# Altium PCB Hrafn_backup.PcbDoc (part 4 of 5) (continued)
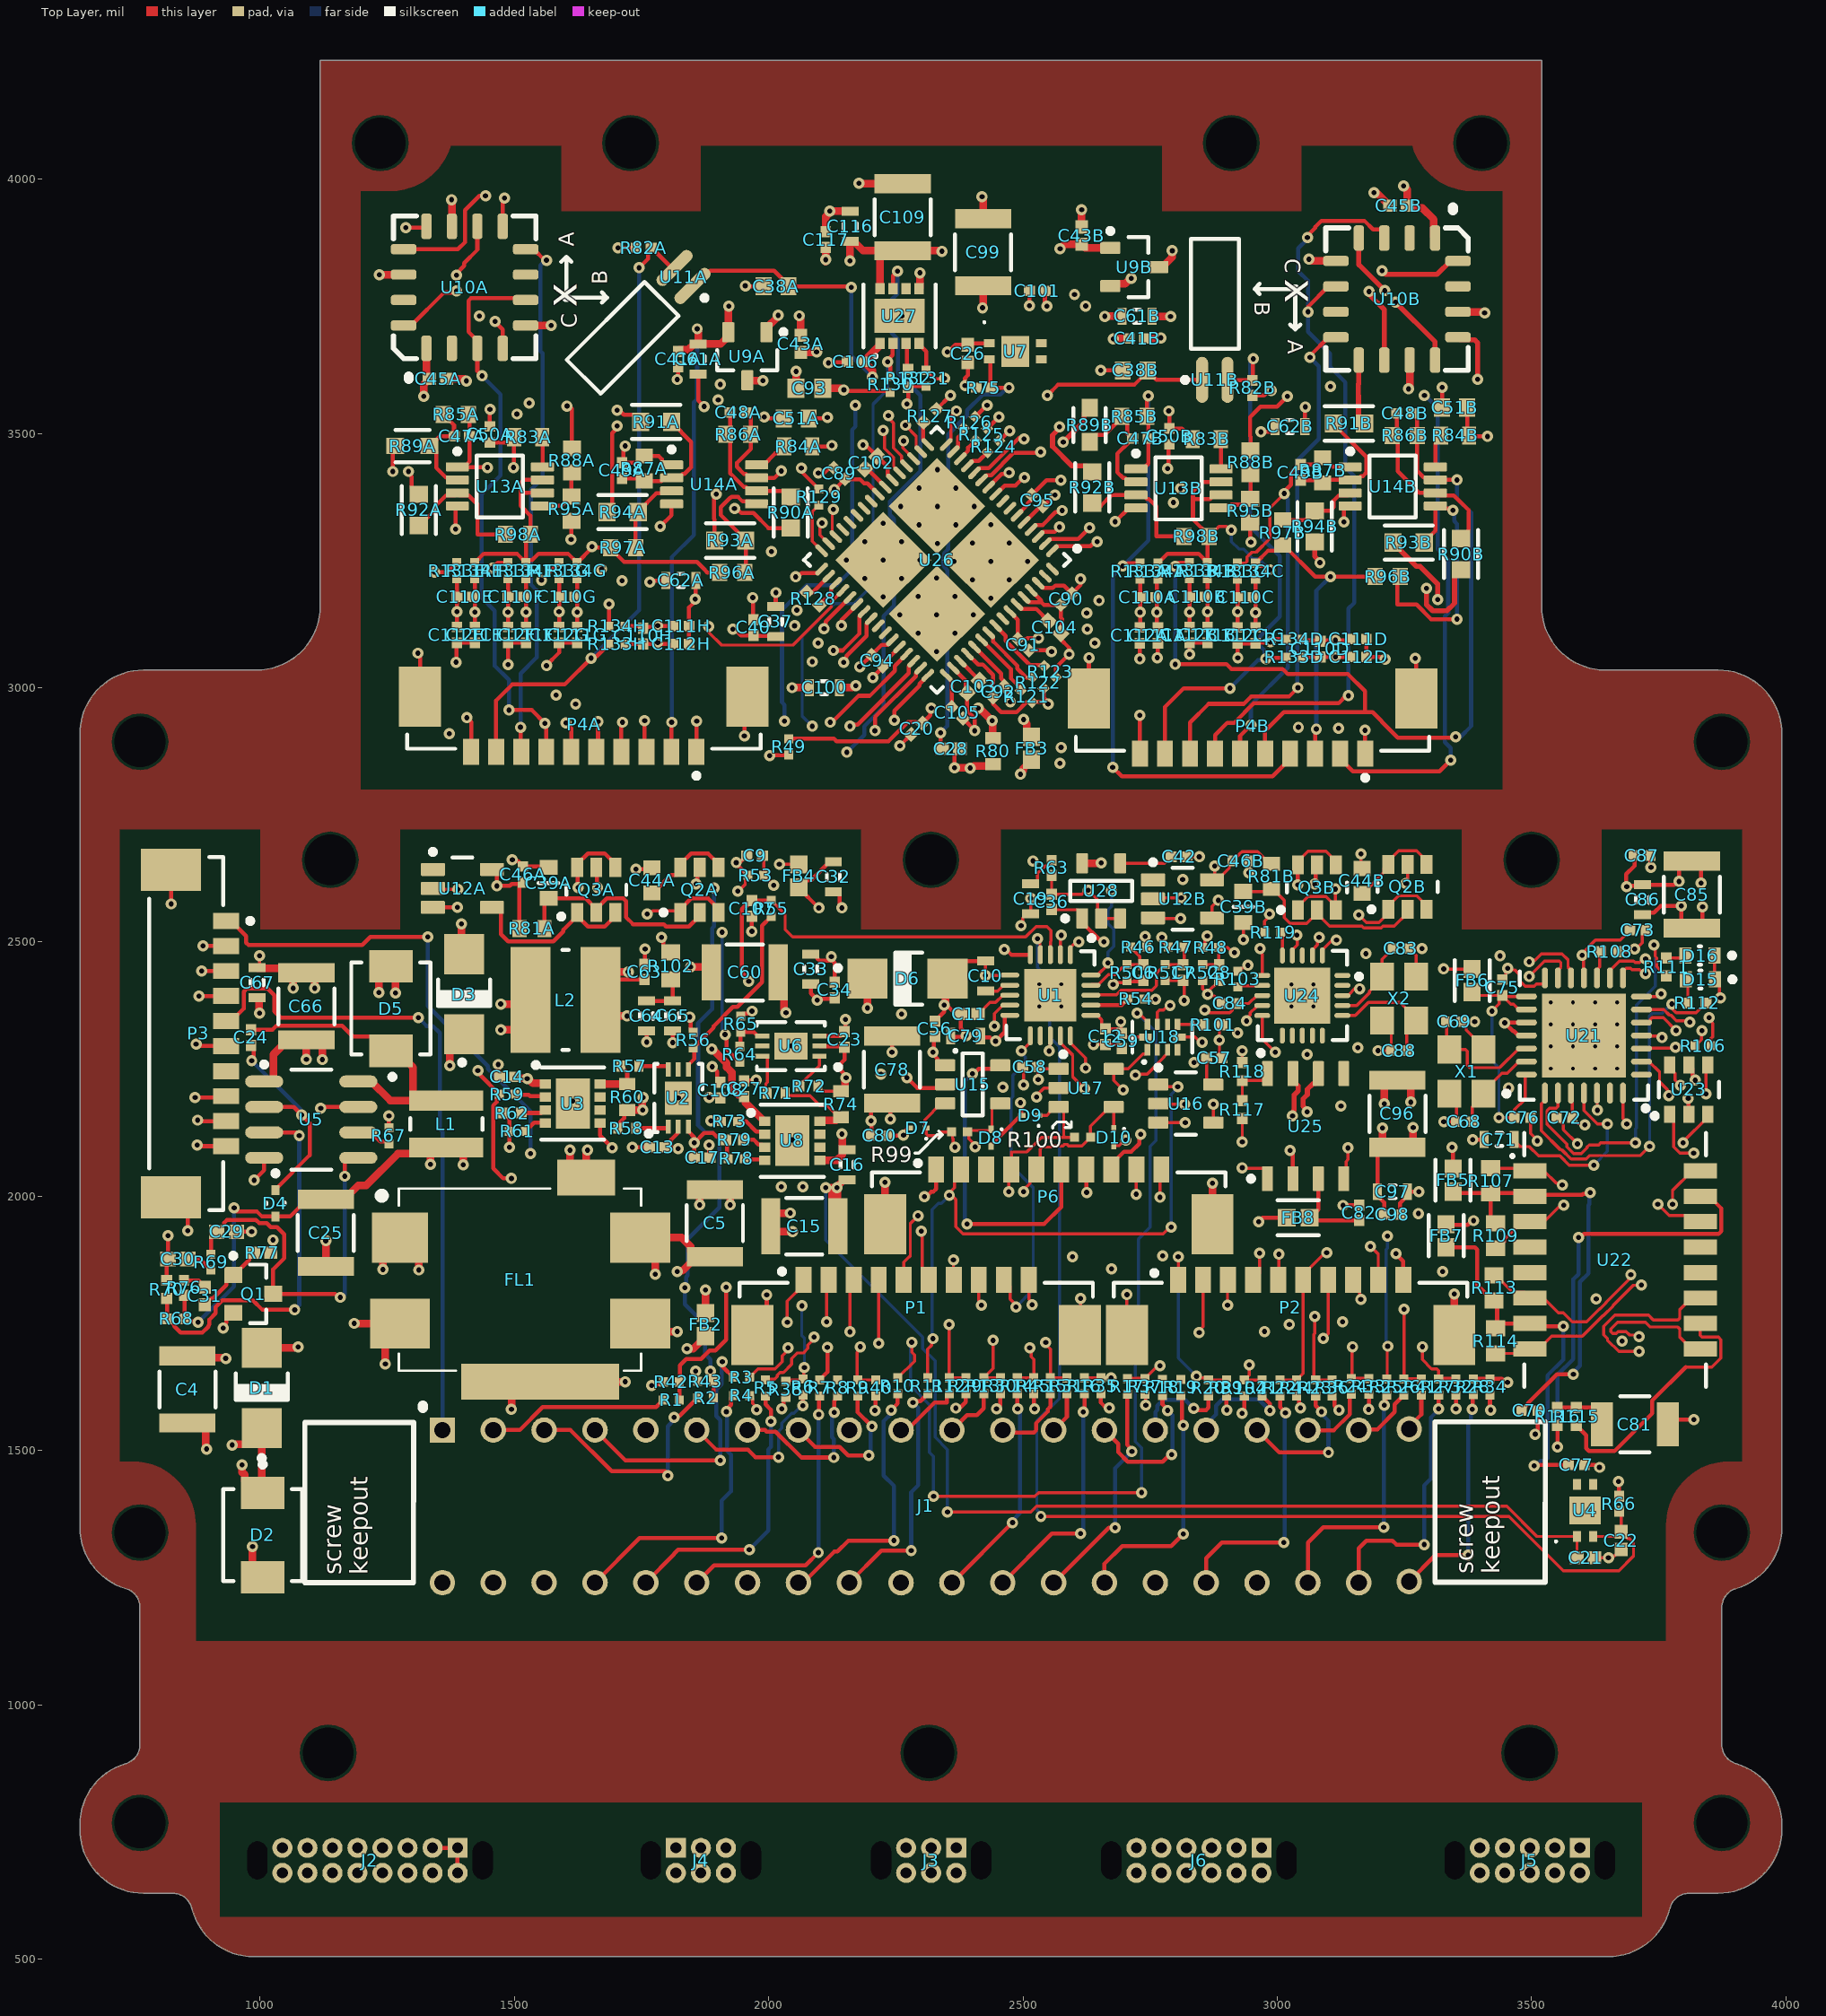
[diagram p0: Top Layer view]
## Nets (pads, with @x,y where several pads share a name; then routed paths per layer and width w, separated by ;. In a path a pad name is that pad's centre, name@x,y a point inside that pad or via, vN(x,y) a via of type N, cw(c..) or ccw(c..) an arc to the next point about the centre after c; other vN are vias at no path point) (continued)
  Internal Top w8: v1(2501.97,3489.17) 2501.97,3453.74 2527.56,3428.15 2527.56,3310.02 2488.15,3270.62 2488.15,3237.85 2496.51,3229.49 2496.51,3054.99 2528.54,3022.95 2528.54,2976.55 2528.21,2976.22 2528.21,2895.79 v1(2572.36,2851.64) ; v1(3041.34,2922.24) 3041.34,2923.23 3043.31,2925.2 3043.31,2955.27 3113.97,3025.93 v1(3113.97,3060.33)
  Internal Bottom w8: v1(2572.36,2851.64) 2572.36,2852.15 2552.82,2871.69 2552.82,2893.37 2562.99,2903.54 2916.02,2903.54 2917.65,2905.18 3024.28,2905.18 v1(3041.34,2922.24)
NetC110E_1: C110E.1 C111E.2 R134E.2 U26.48 | length 1173.4
  Top Layer w8: C111E.2@1422.05,3119.8 1422.05,3152.56 R134E.2@1422.05,3214.29 ; v1(2247.05,2936.02) 2247.05,2954.72 2296.26,3003.94 2296.26,3007.44 2312.7,3023.88 U26.48@2312.7,3024.38
  Internal Top w8: v1@1422.05,3152.56 1487.01,3087.6 1632.04,3087.6 1636.51,3092.07 1690.41,3092.07 1709.65,3072.83 1709.65,3072.6 1714.33,3067.91 2072.66,3067.91 2076.93,3072.18 2081.31,3072.18 v1(2096.73,3087.6)
  Internal Bottom w8: v1(2096.73,3087.6) 2096.79,3087.54 2096.79,3069.72 2106.63,3059.88 2106.63,3029.08 2163.01,2972.71 2210.36,2972.71 v1(2247.05,2936.02)
  other v1: 1422.05,3148.56
NetC110E_2: C110E.2 C112E.2 R133E.2 U26.47 | length 1195.7
  Top Layer w8: C112E.2@1386.62,3119.8 1386.62,3150.59 R133E.2@1386.62,3214.29 ; v1(2208.66,2915.35) 2208.66,2941.93 2289.38,3022.65 2289.38,3028.9 U26.47@2298.78,3038.3
  Internal Top w8: v1@1386.62,3150.59 1470.28,3066.93 1629.75,3066.93 1641.89,3079.07 1675.85,3079.07 1700.79,3054.13 2082.68,3054.13 v1(2085.63,3051.18)
  Internal Bottom w8: v1(2085.63,3051.18) 2088.31,3048.5 2088.31,3029.02 2157.62,2959.71 2164.31,2959.71 v1(2208.66,2915.35)
  other v1: 1386.62,3149.59
NetC110F_1: C110F.1 C111F.2 R134F.2 U26.46 | length 1109.9
  Top Layer w8: C111F.2@1522.54,3119.8 1522.54,3152.56 R134F.2@1522.54,3214.29 ; v1(2159.45,2924.21) 2162.51,2927.27 2174.32,2927.27 2275.46,3028.42 2275.46,3042.82 U26.46@2284.86,3052.22
  Internal Top w8: v1@1525.6,3149.5 1534.35,3149.5 1535.22,3148.62 1558.88,3148.62 1578.89,3128.61 1631.72,3128.61 1642.88,3139.76 1751.13,3139.76 1767.41,3156.05 1795.58,3156.05 1798.07,3153.56 2054.12,3153.56 v1(2055.12,3152.56)
  Internal Bottom w8: v1(2055.12,3152.56) 2072.83,3134.84 2072.83,3073.2 2065.63,3066 2065.63,3033.32 2079,3019.95 2079,3004.66 v1(2159.45,2924.21)
  other v1: 1522.54,3148.56
NetC110F_2: C110F.2 C112F.2 R133F.2 U26.45 | length 1132
  Top Layer w8: C112F.2@1487.1,3119.8 1487.1,3151.57 R133F.2@1487.1,3214.29 ; v1(2121.06,2932.09) 2124.37,2932.09 2176.38,2984.09 2198.83,2984.09 2247.77,3033.03 2247.77,3042.96 U26.45@2270.94,3066.14
  Internal Top w8: v1@1487.1,3151.57 1533.61,3105.07 1626.57,3105.07 1646.5,3125 1754.75,3125 1772.8,3143.05 1790.19,3143.05 1792.68,3140.56 2032.04,3140.56 v1(2050.73,3121.87)
  Internal Bottom w8: v1(2050.73,3121.87) 2050.73,3029.83 2066,3014.56 2066,2987.15 v1(2121.06,2932.09)
  other v1: 1487.1,3148.57
NetC110G_1: C110G.1 C111G.2 R134G.2 U26.40 | length 949.7
  Top Layer w8: C111G.2@1623.03,3119.8 1623.03,3149.61 R134G.2@1623.03,3214.29 ; v1(2147.2,3049.76) 2147.2,3054.09 2152.73,3059.61 2152.73,3062.17 2192.3,3101.75 2192.3,3118.53 2192.41,3118.64 2192.41,3126.8 U26.40@2201.35,3135.73
  Internal Top w8: v1(1620.17,2967.61) 2068.67,2967.61 2147.2,3046.14 v1(2147.2,3049.76) ; v1@1623.03,3149.61 v1@1623.5,3149.61
  Internal Bottom w8: v1(1620.17,2967.61) 1620.17,3146.75 v1@1623.03,3149.61
  other v1: 1623.03,3148.61
NetC110G_2: C110G.2 C112G.2 R133G.2 U26.39 | length 961.3
  Top Layer w8: C112G.2@1587.59,3119.8 v1(1587.59,3149.61) R133G.2@1587.59,3214.29 ; v1(2126.92,3073.2) 2145.05,3073.2 2178.49,3106.64 2178.49,3120.81 2178.38,3120.92 2178.38,3132.45 2178.49,3132.56 2178.49,3140.71 U26.39@2187.43,3149.65
  Internal Top w8: v1(1581.69,2985.24) 1608.1,2985.24 1646.87,3024 2088.15,3024 2123.85,3059.71 2123.85,3070.14 v1(2126.92,3073.2)
  Internal Bottom w8: v1(1581.69,2985.24) 1584.64,2988.19 1584.64,3146.66 v1(1587.59,3149.61)
NetC110H_1: C110H.1 C111H.2 R134H.2 U26.38 | length 550.5
  Top Layer w8: R134H.2@1717.34,3121.14 1752.77,3121.14 1754.48,3119.43 1778.88,3119.43 v1(1781.5,3122.05) 1781.95,3121.6 1811.37,3121.6 C111H.2@1811.82,3121.14 ; v1(2142.72,3122.05) 2142.72,3132.78 U26.38@2173.51,3163.57
  Internal Top w8: v1(1781.5,3122.05) 1785.83,3122.05 1810.43,3097.44 1871.82,3097.44 1874.92,3094.34 2052.9,3094.34 2095.73,3137.16 2132.52,3137.16 2138.78,3130.91 2138.78,3130.31 2142.72,3126.38 v1(2142.72,3122.05)
NetC110H_2: C110H.2 C112H.2 R133H.2 U26.37 | length 526
  Top Layer w8: R133H.2@1717.34,3085.71 1781.5,3085.71 v1@1782.48,3085.71 ; v1(1781.5,3088.91) 1781.5,3086.69 v1@1782.48,3085.71 ; C112H.2@1811.82,3085.71 v1@1782.48,3085.71 ; v1(2108.77,3116.16) 2109.27,3116.16 2112.2,3119.09 2112.2,3130.11 U26.37@2159.59,3177.49
  Internal Top w8: v1(1781.5,3088.91) 1785.83,3088.91 1793.83,3080.91 2060.34,3080.91 2092.53,3113.1 2105.71,3113.1 v1(2108.77,3116.16)
NetD15_2: D15.2 R112.2 | length 47.9
  Top Layer w6: D15.2@3803.15,2426.31 3807.09,2422.37 R112.2@3807.09,2380.05
NetD16_2: D16.2 R111.2 | length 39.6
  Top Layer w6: R111.2@3764.76,2468.5 3797.57,2468.5 D16.2@3802.39,2473.32
NetFB2_2: FB2.2 J1.2 J1.4 | length 837.7
  Top Layer w15: v1(1839,1700) 1839.34,1700.34 1851.89,1700.34 1875.64,1724.09 FB2.2@1875.64,1725.03
  Internal Bottom w30: J1.2@1358.27,1240.16 J1.4@1458.27,1240.16 1613.27,1395.16 1613.27,1597.27 1700,1684 1824,1684 1839,1699 v1(1839,1700)
NetJ1_3: J1.3 R1.2 | length 358.7
  Top Layer w8: J1.3@1458.27,1540.16 1510.18,1540.16 1555.66,1585.63 1778.54,1585.63 R1.2@1792.4,1599.49
NetJ1_5: J1.5 R2.2 | length 463.3
  Top Layer w8: J1.5@1558.27,1540.16 1610.18,1540.16 1691.03,1459.32 1796.49,1459.32 1801.18,1454.63 v1(1801.18,1450.79) ; v1(1813.98,1564.96) 1817.04,1568.02 1824.32,1568.02 R2.2@1859.72,1603.42
  Bottom Layer w8: v1(1801.18,1450.79) 1801.18,1547.84 1813.98,1560.63 v1(1813.98,1564.96)
NetJ1_7: J1.7 R3.2 | length 513.4
  Top Layer w8: J1.7@1658.27,1540.16 1718.11,1480.32 v1(1904.53,1480.32) ; v1(1908.53,1674.56) 1910.17,1672.92 1910.17,1664.2 R3.2@1930.59,1643.78
  Bottom Layer w8: v1(1904.53,1480.32) 1904.53,1560.2 1896.67,1568.06 1896.67,1619.65 1907.49,1630.47 1907.49,1673.52 v1(1908.53,1674.56)
NetJ1_8: J1.8 R4.1 | length 579.2
  Top Layer w8: J1.8@1658.27,1240.16 1745.87,1327.76 v1(1907.48,1327.76) ; v1(1916.67,1576.34) 1916.67,1580.67 1925.73,1589.73 1925.73,1603.49 R4.1@1930.59,1608.35
  Bottom Layer w8: v1(1907.48,1327.76) 1907.48,1401.53 1925.53,1419.57 1925.53,1491.71 1917.53,1499.71 v1@1917.53,1572.87
NetJ1_10: J1.10 R5.1 | length 555.2
  Top Layer w8: J1.10@1758.27,1240.16 1813.98,1295.87 1813.98,1297.24 1821.85,1305.12 v1(1961.61,1305.12) ; R5.1@1993.58,1607.36 1993.58,1590.7 2004,1580.28 v1(2004,1557)
  Bottom Layer w8: v1(1961.61,1305.12) 1999,1342.5 1999,1501.69 2004,1506.69 v1(2004,1557)
NetJ1_11: J1.11 R6.2 | length 329.5
  Top Layer w8: J1.11@1858.27,1540.16 1897.11,1501.32 1959.29,1501.32 1973.6,1487 v1(2019,1487) ; v1(2067,1588) 2067.2,1588.2 2067.2,1609.1 R6.2@2067.4,1609.3
  Bottom Layer w6: v1(2019,1487) 2019,1537.7 2025.52,1544.22 2025.52,1554.08 2044.6,1573.16 2049.32,1573.16 2064.16,1588 v1(2067,1588)
NetJ1_12: J1.12 R7.1 | length 572.8
  Top Layer w8: J1.12@1858.27,1240.16 1892.27,1274.16 2072.39,1274.16 v1(2097.44,1299.21) ; v1(2098.19,1570.84) 2099.04,1571.68 2099.04,1606.52 R7.1@2099.88,1607.36
  Bottom Layer w8: v1(2097.44,1299.21) 2097.82,1299.59 2097.82,1570.46 v1(2098.19,1570.84)
NetJ1_13: J1.13 R8.2 | length 319.3
  Top Layer w8: J1.13@1958.27,1540.16 1992.56,1540.16 1995.72,1537 2013.34,1537 2064.12,1486.22 v1(2127.95,1486.22) ; v1(2128.94,1574.8) 2128.94,1597.82 2130.46,1599.34 2130.46,1602.5 R8.2@2135.31,1607.36
  Bottom Layer w8: v1(2127.95,1486.22) 2127.95,1522.39 2124.27,1526.07 2124.27,1570.13 v1(2128.94,1574.8)
NetJ1_15: J1.15 R9.2 | length 290.6
  Top Layer w8: J1.15@2058.27,1540.16 2091.21,1507.22 2139.01,1507.22 2156.08,1490.16 v1(2196.85,1490.16) ; R9.2@2174.69,1607.36 2174.69,1575.31 v1(2202.76,1547.24)
  Bottom Layer w8: v1(2196.85,1490.16) 2199.8,1493.11 2199.8,1544.29 v1(2202.76,1547.24)
NetJ1_16: J1.16 R10.1 | length 530.1
  Top Layer w8: J1.16@2058.27,1240.16 2068.08,1240.16 2129.11,1301.18 2134.84,1301.18 2156.5,1322.83 2245.9,1322.83 v1(2246.06,1323) ; v1(2240.8,1579.56) 2253.43,1592.18 R10.1@2253.43,1611.3
  Bottom Layer w8: v1(2240.8,1579.56) 2240.8,1577.11 2240.8,1572.5 2226.02,1557.72 2226.02,1450.63 2246.06,1430.59 v1(2246.06,1323)
NetJ1_18: J1.18 R11.1 | length 485.4
  Top Layer w8: J1.18@2158.27,1240.16 2221.11,1303 v1(2280,1303) ; v1(2283.46,1594.49) 2285.9,1596.93 2298.11,1596.93 R11.1@2312.48,1611.3
  Bottom Layer w8: v1(2280,1303) 2280,1418.09 2294.02,1432.11 2294.02,1583.93 v1(2283.46,1594.49)
NetJ1_19: J1.19 R12.2 | length 131.4
  Top Layer w8: J1.19@2260.02,1539.98 2271.39,1539.98 2325.9,1594.49 2350.1,1594.49 2350.1,1606.61 R12.2@2354.79,1611.3
NetJ1_21: J1.21 R13.2 | length 108.7
  Top Layer w8: J1.21@2360.02,1539.98 2389.93,1569.88 2409.45,1569.88 2422.72,1583.15 R13.2@2422.72,1611.3
NetJ1_22: J1.22 R14.1 | length 429.7
  Top Layer w8: J1.22@2360.02,1239.98 2360.53,1239.98 2478.82,1358.27 v1(2479.33,1358.27) ; R14.1@2488.65,1611.3 2488.91,1611.04 2488.91,1581.96 v1(2489.17,1581.69)
  Bottom Layer w8: v1(2479.33,1358.27) 2479.33,1362.6 2494.02,1377.29 2494.02,1576.84 v1(2489.17,1581.69)
NetJ1_23: J1.23 R15.2 | length 152.4
  Top Layer w8: J1.23@2460.02,1539.98 2464.57,1535.43 2521.34,1535.43 2526.02,1540.12 2526.02,1554.06 2548.23,1576.26 2548.23,1580.71 2553.64,1586.12 R15.2@2553.64,1611.3
NetJ1_24: J1.24 R16.1 | length 470.9
  Top Layer w8: J1.24@2460.02,1239.98 2556.66,1336.61 v1(2613.19,1336.61) ; v1(2618.11,1575.79) 2620.57,1578.25 R16.1@2620.57,1611.3
  Bottom Layer w8: v1(2613.19,1336.61) 2618.11,1341.54 v1(2618.11,1575.79)
NetJ1_26: J1.26 R17.1 | length 445.7
  Top Layer w8: J1.26@2560.02,1239.98 2668.47,1348.43 v1(2681.1,1348.43) ; R17.1@2705,1610.25 2704.37,1609.62 2704.37,1511.42 2714,1501.79 v1(2714,1498)
  Bottom Layer w8: v1(2681.1,1348.43) 2681.1,1465.1 v1(2714,1498)
NetJ1_27: J1.27 R18.2 | length 298.5
  Top Layer w8: J1.27@2660.02,1539.98 2686.89,1513.11 2686.89,1496.83 2705.72,1478 2774.41,1478 2788.53,1492.13 v1(2792.32,1492.13) ; R18.2@2774,1608.25 2774,1590.82 2784.45,1580.37 v1(2784.45,1578.74)
  Bottom Layer w8: v1(2784.45,1578.74) 2794.02,1569.16 2794.02,1493.83 v1(2792.32,1492.13)
NetJ1_28: J1.28 R19.1 | length 491.1
  Top Layer w8: J1.28@2660.02,1239.98 2660.02,1277.15 2694.88,1312.01 2791.34,1312.01 v1(2814.96,1335.63) ; R19.1@2810,1608.25 2812.51,1605.74 2812.51,1551.72 v1(2815.02,1549.21)
  Bottom Layer w8: v1(2814.96,1335.63) 2815.02,1335.69 v1(2815.02,1549.21)
NetJ1_29: J1.29 R20.2 | length 188.3
  Top Layer w8: v1(2835.63,1582.68) 2838.65,1579.66 2859.79,1579.66 2864.47,1584.35 R20.2@2864.47,1607.36
  Bottom Layer w8: J1.29@2760.02,1539.98 2760.02,1575.65 2764.1,1579.73 2764.1,1588.09 2775.75,1599.74 2818.57,1599.74 v1(2835.63,1582.68)
NetJ1_31: J1.31 R21.2 | length 211.3
  Top Layer w8: R21.2@2969.96,1607.36 2985.24,1592.09 v1(2985.24,1578.74)
  Bottom Layer w8: J1.31@2860.02,1539.98 2860.02,1551.34 2879.59,1570.91 2879.59,1588.42 2891.89,1600.72 2963.25,1600.72 v1(2985.24,1578.74)
NetJ1_32: J1.32 R22.1 | length 507.7
  Top Layer w8: J1.32@2860.02,1239.98 2860.02,1288.17 2890.75,1318.9 v1(3012.8,1318.9) ; R22.1@3005.39,1607.36 3005.39,1585.16 3013.78,1576.77 3013.78,1575.87 v1(3015.84,1573.8)
  Bottom Layer w8: v1(3012.8,1318.9) 3014.32,1320.42 3014.32,1572.28 v1(3015.84,1573.8)
NetJ1_33: J1.33 R23.2 | length 280.3
  Top Layer w8: J1.33@2960.02,1539.98 3003.94,1496.06 v1(3100.39,1496.06) ; R23.2@3075.26,1607.36 3075.26,1588.31 3087.01,1576.56 v1(3087.01,1576.23)
  Bottom Layer w8: v1(3087.01,1576.23) 3087.01,1571.9 3100.39,1558.53 v1(3100.39,1496.06)
NetJ1_35: J1.35 R24.2 | length 135.3
  Top Layer w8: J1.35@3060.02,1539.98 3111.01,1539.98 3142.72,1571.68 3142.72,1607.97 R24.2@3145,1610.25
NetJ1_36: J1.36 R25.1 | length 503.1
  Top Layer w8: J1.36@3060.02,1239.98 3060.02,1318.88 3090.14,1349 v1(3209,1349) ; v1(3210,1589) 3212.5,1591.5 3212.5,1606.75 R25.1@3215,1609.25
  Bottom Layer w8: v1(3209,1349) 3209.5,1349.5 3209.5,1588.5 v1(3210,1589)
NetJ1_37: J1.37 R26.2 | length 126.8
  Top Layer w8: J1.37@3160.02,1539.98 3161.82,1541.77 3197.02,1541.77 3230.83,1575.58 3230.83,1591.08 R26.2@3249,1609.25
NetJ1_38: J1.38 R27.1 | length 512
  Top Layer w8: J1.38@3160.02,1239.98 3160.02,1307.66 3175.2,1322.83 3226.29,1322.83 3234.12,1315 v1(3289,1315) ; v1(3317,1582) R27.1@3317,1609.25
  Bottom Layer w8: v1(3289,1315) 3289,1431.47 3301.66,1444.14 3301.66,1564.81 3317,1580.15 v1(3317,1582)
NetJ1_40: J1.40 R28.1 | length 456.7
  Top Layer w8: J1.40@3259.15,1242.34 3311.1,1294.29 v1(3375,1294.29) ; v1(3382.93,1581.07) 3383.96,1582.1 3383.96,1608.47 R28.1@3385,1609.5
  Bottom Layer w8: v1(3375,1294.29) 3375,1554 3380.25,1559.25 3380.25,1578.39 v1(3382.93,1581.07)
NetQ3A_1: Q3A.1 Q3A.3 U12A.4 | length 350
  Top Layer w8: U12A.4@1455.71,2567.91 1464.62,2567.91 1473.41,2559.12 1473.41,2515.03 1487.6,2500.84 1576.56,2500.84 1596.09,2520.37 1596.09,2523.76 Q3A.1@1623.43,2551.1 ; Q3A.1@1623.43,2557.99 Q3A.1@1623.43,2551.1 ; Q3A.3@1698.23,2557.99 1698.23,2551.1 1677.42,2530.29 1644.24,2530.29 Q3A.1@1623.43,2551.1
NetQ3B_1: Q3B.1 Q3B.3 U12B.4 | length 416.9
  Top Layer w6: U12B.4@2871.62,2547.31 2871.62,2569.62 v1(2884,2582) ; Q3B.1@3040.35,2562.99 3040.35,2569.88 3060.16,2589.69 3095.35,2589.69 Q3B.3@3114,2571.04 ; v1(3114,2604) Q3B.3@3114,2571.04 ; Q3B.3@3115.16,2562.99 3114,2564.15 Q3B.3@3114,2571.04
  Internal Top w6: v1(2884,2582) 2885.7,2582 2896.35,2592.65 3079.17,2592.65 3090.52,2604 v1(3114,2604)
NetR54_1: R54.1 U1.17 | length 78
  Top Layer w8: U1.17@2633.35,2375.59 2693.84,2375.59 R54.1@2706.25,2388
NetR55_1: R55.1 R56.1 U2.4 | length 376
  Top Layer w8: U2.4@1841.68,2249.3 1842.61,2250.22 1842.61,2259.08 1853.92,2270.39 1853.92,2272.74 1853.28,2273.37 1853.28,2289.43 R56.1@1851.38,2291.34 1891.78,2331.75 1891.78,2334.7 1929.3,2372.22 1938.46,2372.22 1986.83,2420.59 1986.83,2532.11 R55.1@2004.92,2550.2
NetR57_1: R57.1 R60.1 U3.8 | length 95.2
  Top Layer w8: R57.1@1708.99,2255.75 1708.99,2253.78 1713.85,2248.92 1715.82,2248.92 1721.66,2243.08 R60.1@1721.66,2220.31
  Top Layer w15: U3.8@1668.46,2220.63 1668.62,2220.47 1721.5,2220.47 R60.1@1721.66,2220.31
NetR57_2: R57.2 U2.6 | length 63.8
  Top Layer w8: R57.2@1744.43,2255.75 1801.39,2255.75 1802.31,2254.83 U2.6@1802.31,2249.3
NetR58_2: R58.2 U2.1 | length 66.4
  Top Layer w8: R58.2@1738.37,2133.72 1801.39,2133.72 1802.31,2134.65 U2.1@1802.31,2136.7
NetR61_2: R61.2 U3.4 | length 46.7
  Top Layer w8: R61.2@1521.41,2127.72 1538.53,2144.85 1559.6,2144.85 U3.4@1560.58,2143.86
NetR62_2: R62.2 U3.3 | length 49.6
  Top Layer w8: R62.2@1513.37,2163.72 1553.08,2163.72 1558.81,2169.45 U3.3@1560.58,2169.45
NetR64_1: R64.1 R65.1 U6.4 | length 74.4
  Top Layer w8: R64.1@1943,2294.75 1944.03,2295.78 1944.03,2321.83 R65.1@1945.06,2322.86 1970.46,2322.86 1978.33,2314.99 U6.4@1987.19,2314.99
NetR67_2: R67.2 U5.6 | length 69.5
  Top Layer w8: U5.6@1192.91,2125.59 1218.5,2125.59 1236.09,2108.01 1248.29,2108.01 R67.2@1253.15,2103.15
NetR68_1: R68.1 R70.2 U5.3 | length 769.6
  Top Layer w8: R70.2@816.21,1799.12 817.34,1797.98 817.34,1759.97 R68.1@818.47,1758.83 819.46,1758.83 831.13,1747.17 831.13,1744.28 843.44,1731.97 886.24,1731.97 897.95,1743.68 897.95,1745.1 900.29,1747.44 900.29,1757.67 912.41,1769.79 912.41,1782.42 925.41,1795.42 985.61,1795.42 1004.46,1776.57 v1(1067.91,1776.57) ; U5.3@1007.87,2125.59 1070.28,2125.59 v1(1076.77,2119.09)
  Bottom Layer w8: v1(1067.91,1776.57) 1076.77,1785.43 v1(1076.77,2119.09)
NetR71_1: R71.1 R74.1 U8.8 | length 168.4
  Top Layer w6: R71.1@2032,2203 2031.15,2202.15 2035.57,2197.74 2080.89,2197.74 2100.18,2178.44 2115.07,2178.44 R74.1@2137.98,2155.54
  Top Layer w15: U8.8@2100.18,2147.66 2101.93,2149.42 2131.85,2149.42 R74.1@2137.98,2155.54
NetR71_2: R71.2 U6.6 | length 78.5
  Top Layer w6: U6.6@1992.35,2275.62 1995.3,2275.62 1997.22,2273.7 1997.22,2224.21 1994.28,2221.26 1994.28,2205.29 R71.2@1996.57,2203
NetR72_2: R72.2 U6.1 | length 75
  Top Layer w6: R72.2@2061.2,2216.56 2061.2,2218.53 2099.79,2257.11 U6.1@2099.79,2275.62
NetR73_1: R73.1 U8.2 | length 63.9
  Top Layer w8: R73.1@1938.75,2147 1955.61,2147 1975.28,2127.33 1987.06,2127.33 U8.2@1992.31,2122.07
NetR78_2: R78.2 U8.4 | length 41.8
  Top Layer w8: R78.2@1951.75,2074 1953.3,2072.45 1990.75,2072.45 U8.4@1992.31,2070.89
NetR79_2: R79.2 U8.3 | length 47.6
  Top Layer w8: R79.2@1950.72,2111 1970.38,2111 1979.64,2101.73 1987.06,2101.73 U8.3@1992.31,2096.48
NetR83A_1: R83A.1 U13A.8 | length 58.8
  Top Layer w8: R83A.1@1554.35,3492.67 1554.95,3492.07 U13A.8@1554.95,3434.15
NetR83B_1: R83B.1 U13B.8 | length 58.8
  Top Layer w8: R83B.1@2888.6,3488.73 2889.21,3488.13 U13B.8@2889.21,3430.21
NetR84A_1: R84A.1 U14A.8 | length 71.5
  Top Layer w8: U14A.8@1976.21,3438.09 1989.99,3438.09 2012.69,3460.79 2020.57,3460.79 2030.35,3470.57 R84A.1@2030.35,3474.5
NetR84B_1: R84B.1 U14B.8 | length 66.5
  Top Layer w8: U14B.8@3310.47,3434.15 3310.47,3480.54 3321.9,3491.97 R84B.1@3321.9,3495.91
NetR88A_1: R88A.1 R95A.2 U13A.5 | length 116.7
  Top Layer w8: U13A.5@1554.95,3357.38 1591.98,3357.38 1610.19,3375.59 R95A.2@1612.16,3375.59 1612.16,3422.46 R88A.1@1613.02,3423.32 R88A.1@1615.78,3426.08
NetR88B_1: R88B.1 R95B.2 U13B.5 | length 116.7
  Top Layer w8: U13B.5@2889.21,3353.44 2902.98,3353.44 2909.44,3359.9 2934.66,3359.9 R95B.2@2946.41,3371.65 2947.28,3372.52 R88B.1@2947.28,3419.39 R88B.1@2950.03,3422.14
NetR92A_2: R92A.2 R98A.2 U13A.3 | length 269.3
  Top Layer w8: R92A.2@1312.01,3318.83 1313.06,3318.83 1344.19,3349.96 1344.19,3357.02 1365.28,3378.11 1382.77,3378.11 U13A.3@1387.63,3382.97 1392.49,3378.11 1409.98,3378.11 1427.59,3360.5 1427.59,3301.28 R98A.2@1482.12,3301.28
NetR92B_2: R92B.2 R98B.2 U13B.3 | length 260.6
  Top Layer w8: R92B.2@2635.83,3363.12 2641.73,3357.22 2652.32,3357.22 2674.14,3379.03 U13B.3@2721.88,3379.03 2735.66,3379.03 2743.39,3371.3 2747.11,3371.3 2761.84,3356.56 2761.84,3297.34 R98B.2@2816.37,3297.34
NetR93A_2: R93A.2 R96A.2 U14A.5 | length 234.4
  Top Layer w8: R96A.2@1952.59,3226.47 1954.63,3228.51 R93A.2@1954.63,3289.47 1954.63,3290.52 1905.51,3339.63 1905.51,3355 1923.88,3373.36 1925.2,3373.36 1926.83,3375 1939.64,3375 1948.46,3366.17 1963.55,3366.17 1968.5,3361.22 1968.6,3361.32 U14A.5@1976.21,3361.32
NetR93B_2: R93B.2 R96B.2 U14B.5 | length 543.6
  Top Layer w8: R96B.2@3241.57,3220.57 R96B.2@3241.57,3218.6 3235.83,3212.86 3235.83,3163.39 3273.51,3163.39 3302.05,3134.84 v1(3353.35,3134.84) ; R93B.2@3275.97,3272.62 R93B.2@3288.88,3285.53 3288.88,3286.58 3310.47,3308.17 U14B.5@3310.47,3357.38 3315.33,3352.52 3337.69,3352.52 3341.21,3349 v1(3345,3349)
  Bottom Layer w8: v1(3345,3349) 3347.68,3346.32 3347.68,3327.67 3353.35,3322 v1(3353.35,3134.84)
NetR94A_2: R94A.2 R97A.2 U14A.3 | length 169.2
  Top Layer w8: R97A.2@1738.19,3275.59 1738.19,3340.48 R94A.2@1743.18,3345.47 1743.18,3346.52 1778.7,3382.05 1804.03,3382.05 U14A.3@1808.89,3386.91 U14A.3@1822.67,3386.91
NetR94B_2: R94B.2 R97B.2 U14B.3 | length 169.3
  Top Layer w8: R97B.2@3010.27,3329.82 3054.42,3329.82 3072.21,3347.6 R94B.2@3073.26,3347.6 3103.22,3347.6 3110.57,3354.95 3110.57,3367.88 3120.79,3378.11 3138.28,3378.11 U14B.3@3143.14,3382.97 U14B.3@3148,3378.11
NetR101_1: R101.1 U18.6 | length 52.2
  Top Layer w6: U18.6@2803.53,2338.1 2854.19,2338.1 R101.1@2855.28,2337
NetR103_2: R103.2 U24.17 | length 49.7
  Top Layer w6: R103.2@2922,2411.25 2924.46,2413.71 2969.62,2413.71 U24.17@2970.35,2414.45
NetR106_2: R106.2 U21.2 | length 292.2
  Top Layer w6: U21.2@3716.02,2264.84 3730.79,2264.84 3751.45,2244.18 3751.45,2224.87 3766.76,2209.57 3766.76,2201.06 v1(3769.82,2198) ; R106.2@3821.25,2296 3833.6,2308.34 3833.6,2324.51 v1(3834.94,2325.86)
  Internal Top w6: v1(3769.82,2198) 3769.82,2202.33 3764.96,2207.19 3764.96,2232.01 3834.29,2301.34 3834.29,2325.2 v1(3834.94,2325.86)
NetR108_2: R108.2 U21.10 | length 54.6
  Top Layer w6: U21.10@3628.43,2429.21 3628.43,2445.55 3633.35,2450.47 3633.35,2479.06 R108.2@3635.28,2481
NetR111_1: R111.1 U21.23 | length 766.1
  Top Layer w6: U21.23@3551.65,2202.84 3551.65,2176.36 3548.14,2172.84 3535.15,2172.84 3530.47,2168.16 3530.47,2141.06 3569.09,2102.43 3569.09,2097.04 3582.13,2084 3597.87,2084 3609,2095.13 3609,2096.89 3613.11,2101 3631.76,2101 3635.76,2105 v1(3703.86,2105) ; v1(3740.12,2494.25) 3743,2491.37 3743,2471.71 3745.94,2468.77 3745.94,2451.9 R111.1@3764.76,2433.07
  Bottom Layer w6: v1(3703.86,2105) 3704,2105.14 3704,2132.13 3706,2134.13 3706,2376.07 3743,2413.07 3743,2491.37 v1(3740.12,2494.25)
NetR112_1: R112.1 U21.22 | length 710.6
  Top Layer w6: U21.22@3526.06,2202.84 3526.06,2188.72 3519,2181.65 3519,2128.87 3556.44,2091.43 3559.14,2091.43 3577.57,2073 3607.13,2073 3614.13,2080 3714,2080 v1(3732,2098) ; v1(3775.76,2377.96) 3774.33,2376.53 3774.33,2371 3784.11,2361.22 3823.69,2361.22 R112.1@3842.52,2380.05
  Bottom Layer w6: v1(3732,2098) 3732,2210.04 3731.81,2210.22 3731.81,2354.81 3736.53,2359.53 3756.36,2359.53 v1@3767.84,2371
NetR115_2: R115.2 U22.10 | length 514.8
  Top Layer w6: 3802.85,1664 3854.5,1664 3872.09,1681.59 3872.09,1718.14 3867.41,1722.83 3835.13,1722.83 3831.61,1726.34 U22.10@3831.61,1749.87
  Top Layer w8: R115.2@3587.6,1549.21 3607.14,1529.67 3607.14,1504.15 3612.41,1498.87 3663.18,1498.87 3737.06,1572.76 3737.06,1598.22 3802.85,1664
NetR116_2: R116.2 U22.15 | length 853.8
  Top Layer w8: R116.2@3550.35,1549.31 3550.67,1548.99 3550.67,1507.33 v1(3551,1507) ; v1(3592,1919) 3595.79,1919 3602.69,1925.91 3867.82,1925.91 3873.09,1931.18 3873.09,1975.91 3849.13,1999.87 U22.15@3831.61,1999.87
  Bottom Layer w8: v1(3551,1507) 3551,1649.17 3582,1680.17 3582,1836.75 3592,1846.75 v1(3592,1919)
NetR117_1: R117.1 R118.2 U25.8 | length 98.2
  Top Layer w6: R117.1@2930.99,2188.07 R118.2@2930.99,2227.44 2972.77,2227.44 2980.59,2235.27 U25.8@2980.59,2241.22
NetR119_2: R119.2 U24.15 | length 47.3
  Top Layer w6: R119.2@3007,2519 3006.5,2518.5 3010,2515 3010,2473.78 U24.15@3009.72,2473.51
NetR121_1: R121.1 U26.54 | length 132.1
  Top Layer w8: U26.54@2418.49,3093.97 2475.91,3036.56 2475.91,3018.45 2496.31,2998.04 2496.31,2996.28 R121.1@2495.33,2994.31
NetR122_1: R122.1 U26.55 | length 134.9
  Top Layer w8: U26.55@2432.41,3107.89 2441.35,3098.96 2441.35,3090.81 2488.91,3043.24 2488.91,3037.67 2506.68,3019.9 2509.46,3019.9 2512.51,3022.95 2519.38,3022.95 R122.1@2518.39,3020.98
NetR123_1: R123.1 U26.56 | length 137
  Top Layer w8: U26.56@2446.33,3121.81 2446.33,3121.31 2465.95,3101.7 2465.95,3091.96 2513.43,3044.47 2520.06,3044.47 2520.19,3044.6 2543,3044.6 R123.1@2542.01,3042.63
NetR124_1: R124.1 U26.13 | length 50.8
  Top Layer w8: U26.13@2390.65,3436.39 2400.05,3445.79 2412.98,3445.79 R124.1@2430.37,3463.18
NetR125_1: R125.1 U26.14 | length 48.9
  Top Layer w8: U26.14@2376.73,3450.31 2376.73,3450.81 2392,3466.08 2392,3472.05 R125.1@2406.75,3486.8
NetR126_1: R126.1 U26.15 | length 54.6
  Top Layer w8: U26.15@2362.81,3464.23 2371.86,3473.28 2371.86,3492.29 2383.12,3503.55 R126.1@2383.12,3510.42
NetR127_1: R127.1 U26.17 | length 47.8
  Top Layer w8: R127.1@2304.4,3521.92 2304.4,3512.27 2303.65,3511.52 2303.65,3487.2 U26.17@2312.7,3478.15
NetR128_1: R128.1 U26.35 | length 56
  Top Layer w8: R128.1@2099.7,3162.57 2122.35,3185.22 2122.35,3195.93 U26.35@2131.75,3205.33
NetR128_2: R128.2 U26.34 | length 56.3
  Top Layer w8: R128.2@2074.65,3187.63 2086.21,3187.63 U26.34@2117.83,3219.25
NetR129_2: R129.2 U26.32 | length 102.8
  Top Layer w6: 2085.61,3334.63 2085.61,3287.66 U26.32@2103.91,3269.36 ; 2085.63,3334.65 2085.63,3346.46 R129.2@2098.43,3359.25
NetR132_2: R132.2 U27.3 | length 52.7
  Top Layer w8: U27.3@2269.8,3677.06 2271.92,3674.94 2271.92,3628.2 R132.2@2274.05,3626.08
OUTAA_N: R89A.1 U10A.10 | length 628
  Top Layer w8: v1(1260.83,3425.2) 1260.83,3470.47 R89A.1@1265.75,3475.39 ; v1(1385.83,3811.02) 1385.83,3814.23 1401.2,3829.59 1401.2,3835.25 1426.97,3861.02 U10A.10@1426.97,3907.32
  Internal Bottom w8: v1(1260.83,3425.2) 1260.83,3429.53 1268.33,3437.03 1268.33,3554.49 1254.67,3568.14 1254.67,3702.99 1355.2,3803.52 1374,3803.52 1381.5,3811.02 v1(1385.83,3811.02)
OUTAA_P: R92A.1 U10A.16 | length 622
  Top Layer w8: U10A.16@1281.97,3712.32 1296.97,3712.32 1361.83,3777.18 1382.98,3777.18 v1(1385.83,3780.02) ; v1(1291.83,3425.2) 1291.83,3420.87 1298.05,3414.64 1298.05,3392.89 1310.96,3379.99 R92A.1@1312.01,3379.99
  Internal Bottom w8: v1(1291.83,3425.2) 1291.83,3429.53 1284.33,3437.03 1284.33,3561.11 1270.67,3574.77 1270.67,3696.37 1361.83,3787.52 1374,3787.52 1381.5,3780.02 v1(1385.83,3780.02)
OUTAB_N: R89B.1 U10B.10 | length 1142.7
  Top Layer w10: v1(2579,3483) 2620.16,3524.16 2620.16,3539.45 R89B.1@2630.91,3550.2 ; v1(3180.42,3778.98) 3181.58,3777.81 3181.58,3772.16 3210.16,3743.58 U10B.10@3210.16,3644.17
  Internal Top w10: v1(2579,3483) 2582.25,3483 2589.28,3490.03 2605.19,3490.03 2622.16,3507 2622.16,3620.36 2600.18,3642.33 2600.18,3736.72 2611.8,3748.34 2620.74,3748.34 v1(2623.03,3750.64)
  Internal Bottom w10: v1(2623.03,3750.64) 2625.51,3750.64 2634.89,3760.01 2697.35,3760.01 2700.01,3757.35 2828.57,3757.35 2868.25,3797.04 3151.78,3797.04 3153.02,3795.8 3159.81,3795.8 3176.63,3778.98 v1(3180.42,3778.98)
OUTAB_P: R92B.1 U10B.16 | length 1243.6
  Top Layer w10: v1(2571.33,3513.04) 2571.33,3509.79 2558,3496.46 2558,3474.3 2596.12,3436.18 2623.92,3436.18 R92B.1@2635.83,3424.28 ; v1(3205.71,3819.88) 3212.6,3812.99 3313.98,3812.99 3340.16,3839.17 U10B.16@3355.16,3839.17
  Internal Top w10: v1(2571.33,3513.04) 2573.63,3510.74 2581.45,3510.74 2583.19,3509 2597.33,3509 2603.19,3514.86 2603.19,3612.5 2581.21,3634.48 2581.21,3744.58 2598.82,3762.18 2598.82,3770.61 v1(2601.11,3772.9)
  Internal Bottom w10: v1(2601.11,3772.9) 2603.41,3775.2 2623.36,3775.2 2627.07,3778.9 2705.18,3778.9 2707.84,3776.24 2820.74,3776.24 2860.43,3815.93 3162.39,3815.93 3166.34,3819.88 v1(3205.71,3819.88)
OUTBA_N: R90A.1 U10A.4 | length 1002.4
  Top Layer w8: v1(1461.61,3720.47) 1461.61,3719.68 1476.97,3704.32 U10A.4@1476.97,3667.32 ; v1(1932.57,3352.36) 1936.9,3352.36 1945.81,3343.46 1970.01,3343.46 1999.46,3314 R90A.1@2043.14,3314
  Internal Top w8: v1(1461.61,3720.47) 1461.61,3717.9 1451.5,3707.79 1451.5,3696.65 1460.14,3688 1486.93,3688 1585.04,3589.89 1618.26,3589.89 1624.15,3584 1852.66,3584 1857.74,3589.08 1893.36,3589.08 1900.74,3596.46 v1(1904.53,3596.46)
  Internal Bottom w8: v1(1904.53,3596.46) 1908.03,3596.46 1917.21,3587.27 1931.24,3587.27 1945.3,3573.21 1945.3,3474.22 1924.09,3453.01 1924.09,3410.34 1925.07,3409.35 1925.07,3364.19 1932.57,3356.69 v1(1932.57,3352.36)
OUTBA_P: R93A.1 U10A.12 | length 1210.5
  Top Layer w8: v1(1286.42,3904.53) 1324.17,3904.53 U10A.12@1326.97,3907.32 ; v1(1896.65,3380.91) 1892.51,3376.76 1892.51,3332.38 1893.47,3331.42 R93A.1@1893.47,3289.47 R93A.1@1901.57,3297.57
  Internal Top w8: v1(1431.1,3730.87) 1434.16,3727.81 1434.16,3719.52 1435.5,3718.18 1435.5,3690.02 1453.51,3672 1480.3,3672 1578.42,3573.89 1611.63,3573.89 1617.52,3568 1859.29,3568 1864.37,3573.08 1889.45,3573.08 1896.82,3565.71 v1(1900.61,3565.71)
  Internal Bottom w8: v1(1286.42,3904.53) 1345.47,3904.53 1431.1,3818.9 v1(1431.1,3730.87) ; v1(1896.65,3380.91) 1896.65,3385.24 1908.09,3396.67 1908.09,3459.63 1929.3,3480.84 1929.3,3566.58 1924.61,3571.27 1910.51,3571.27 1904.94,3565.71 v1(1900.61,3565.71)
OUTBB_N: R90B.1 U10B.4 | length 925.2
  Top Layer w10: U10B.4@3160.16,3884.17 3160.16,3831.97 v1(3211.37,3780.76) ; v1@3293.04,3195.23 v1(3292.96,3195.15) 3292.96,3163.73 3305.46,3151.23 3333.36,3151.23 3348.27,3166.13 3348.27,3220.31 3360.17,3232.22 R90B.1@3361.22,3232.22
  Internal Top w10: v1(3211.37,3780.76) 3209.07,3778.46 3209.07,3756.92 3205.37,3753.21 3205.37,3310.03 3300.11,3215.29 3300.11,3205.54 3292.96,3198.4 v1(3292.96,3195.15)
OUTBB_P: R93B.1 U10B.12 | length 927.5
  Top Layer w10: R93B.1@3227.72,3285.53 3227.72,3284.47 3273.78,3238.42 3280.81,3238.42 3314.96,3204.26 v1(3314.96,3173.23) v1@3314.88,3173.15 ; v1(3232.28,3757.87) 3310.16,3680 U10B.12@3310.16,3644.17
  Internal Top w10: v1(3232.28,3757.87) 3232.28,3755.55 3222.75,3746.02 3222.75,3317.23 3317.48,3222.49 3317.48,3198.34 3317.26,3198.11 3317.26,3175.52 v1(3314.96,3173.23)